# Altium PCB Engineer_Control.PcbDoc (part 1 of 2)
Units mil, origin at the board's own origin, x right, y up, seen from the top; angles counter-clockwise.
Board outline 2700 x 2145.06 mil, 2 copper layers (Top Layer, Bottom Layer); 168 components, 125 nets, 543 pads, 386 vias.
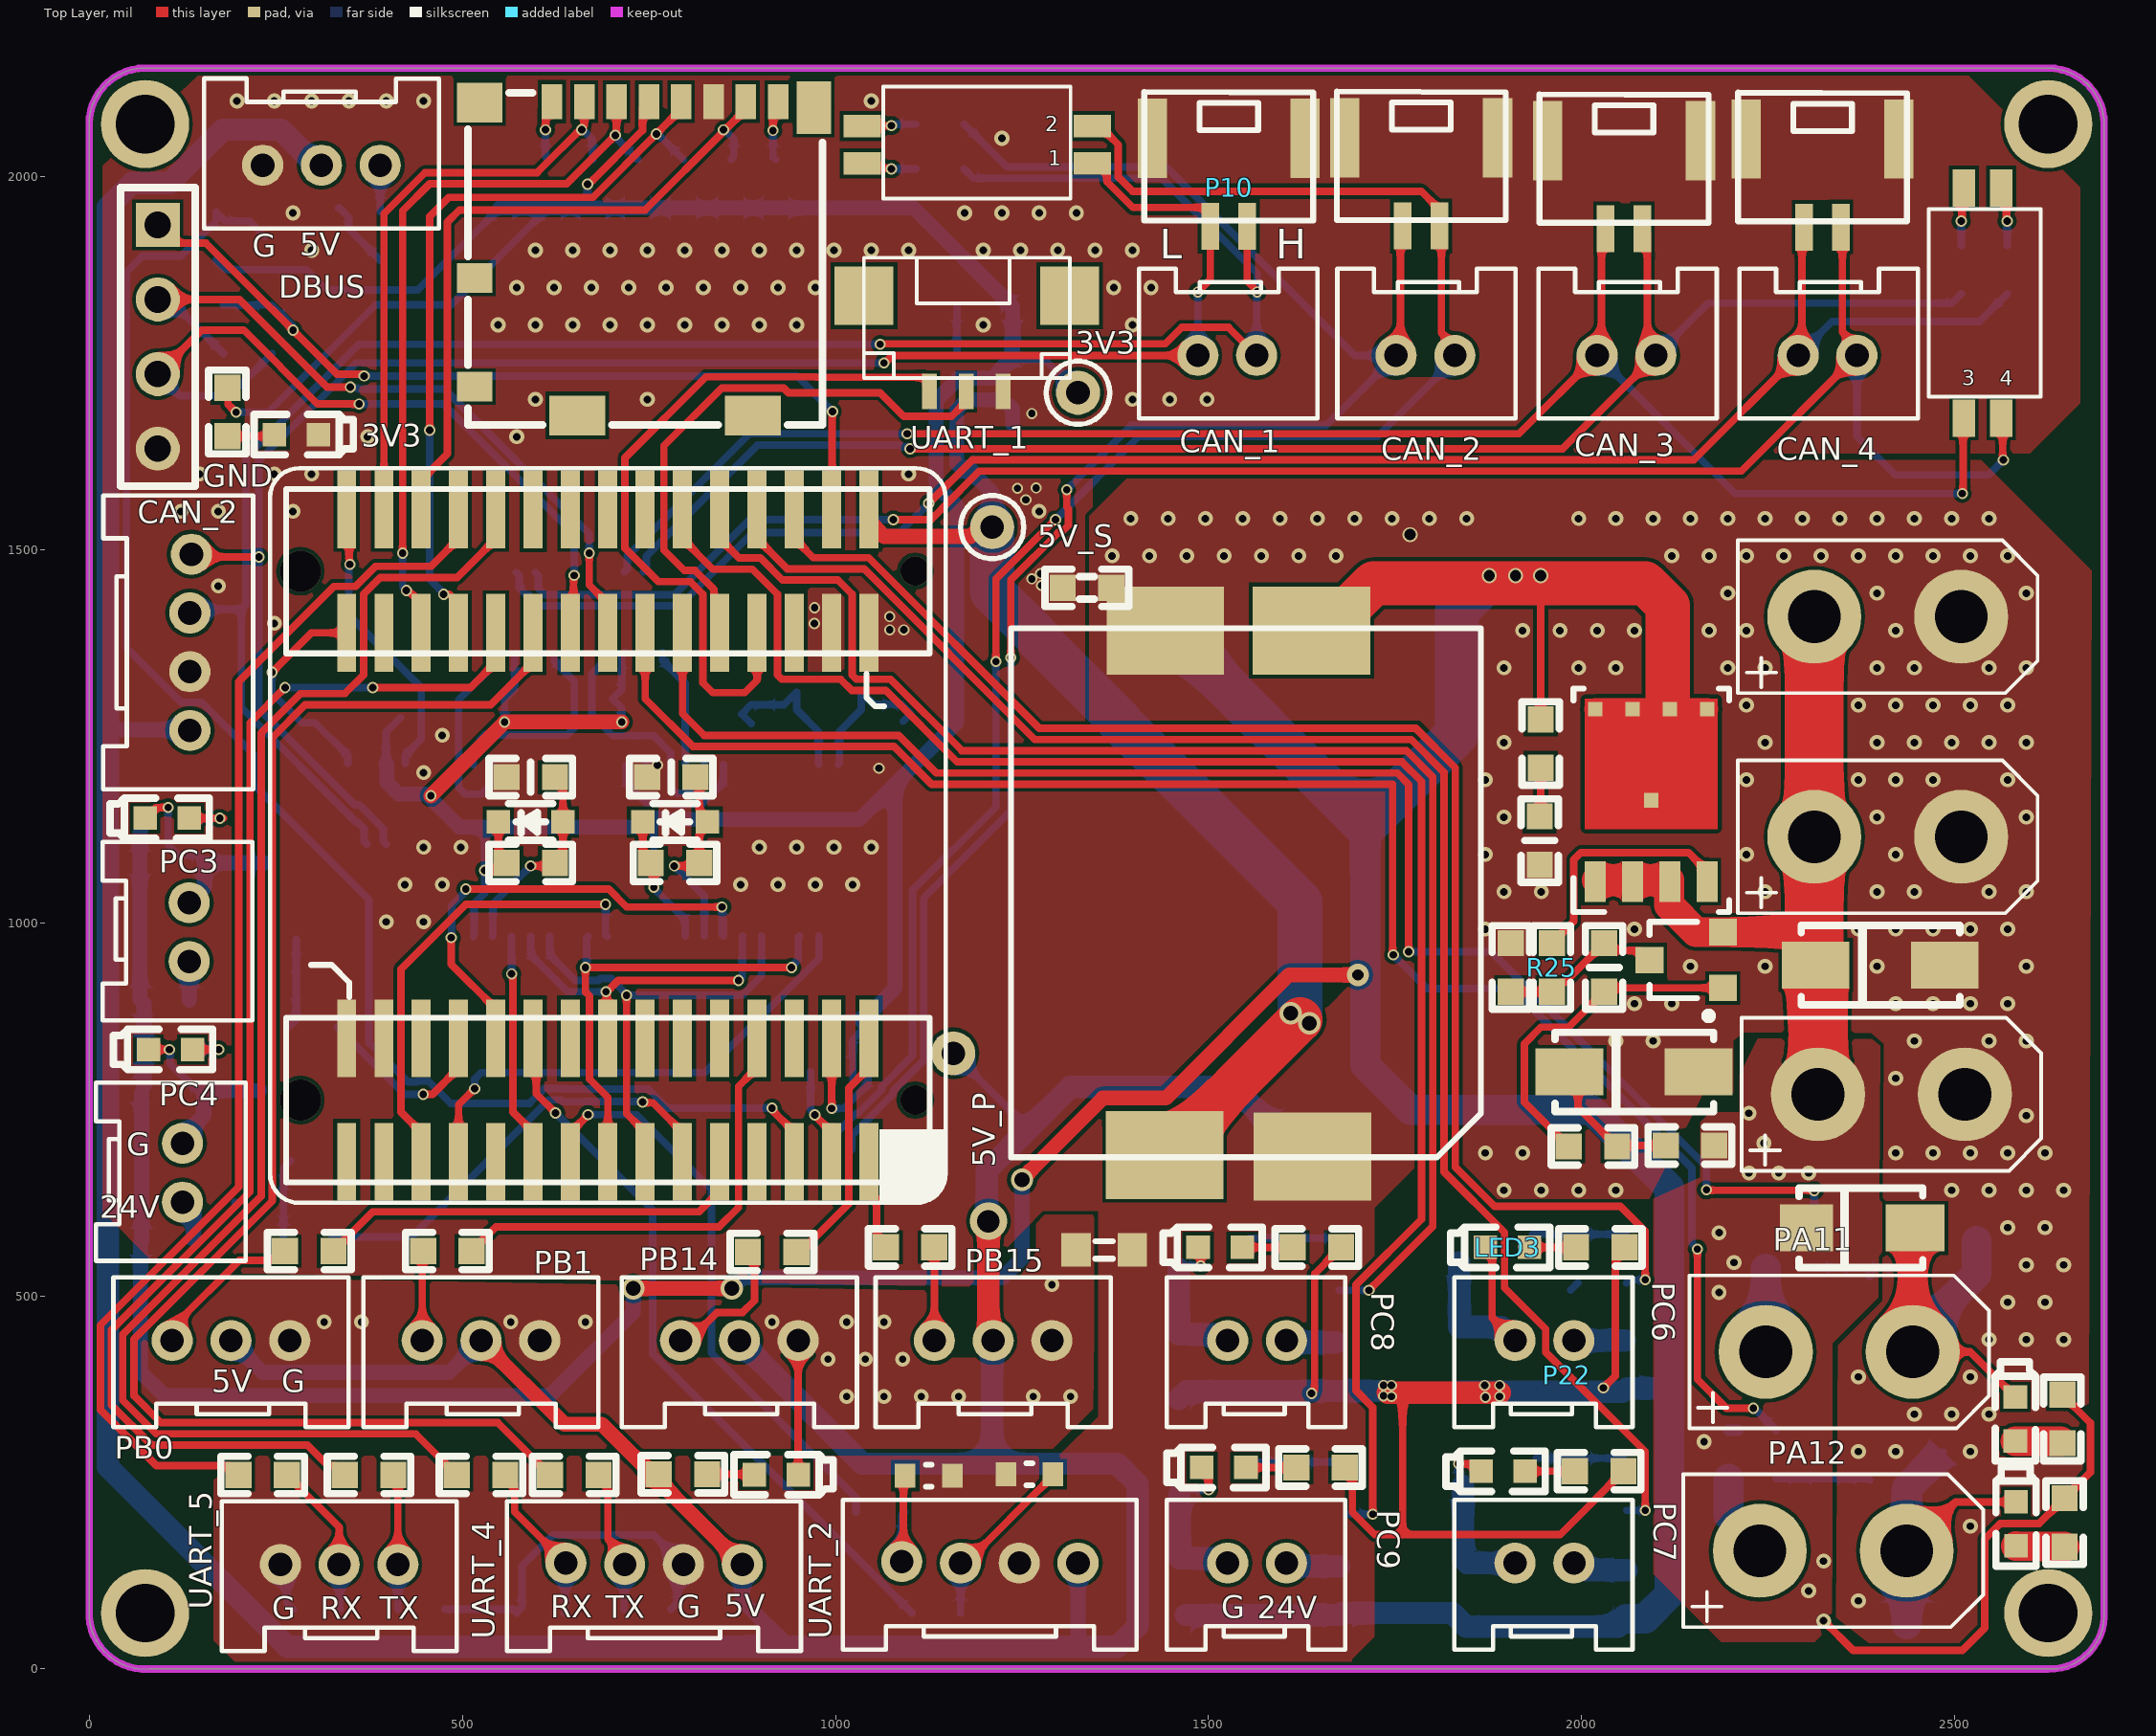
[diagram p0: Top Layer view]
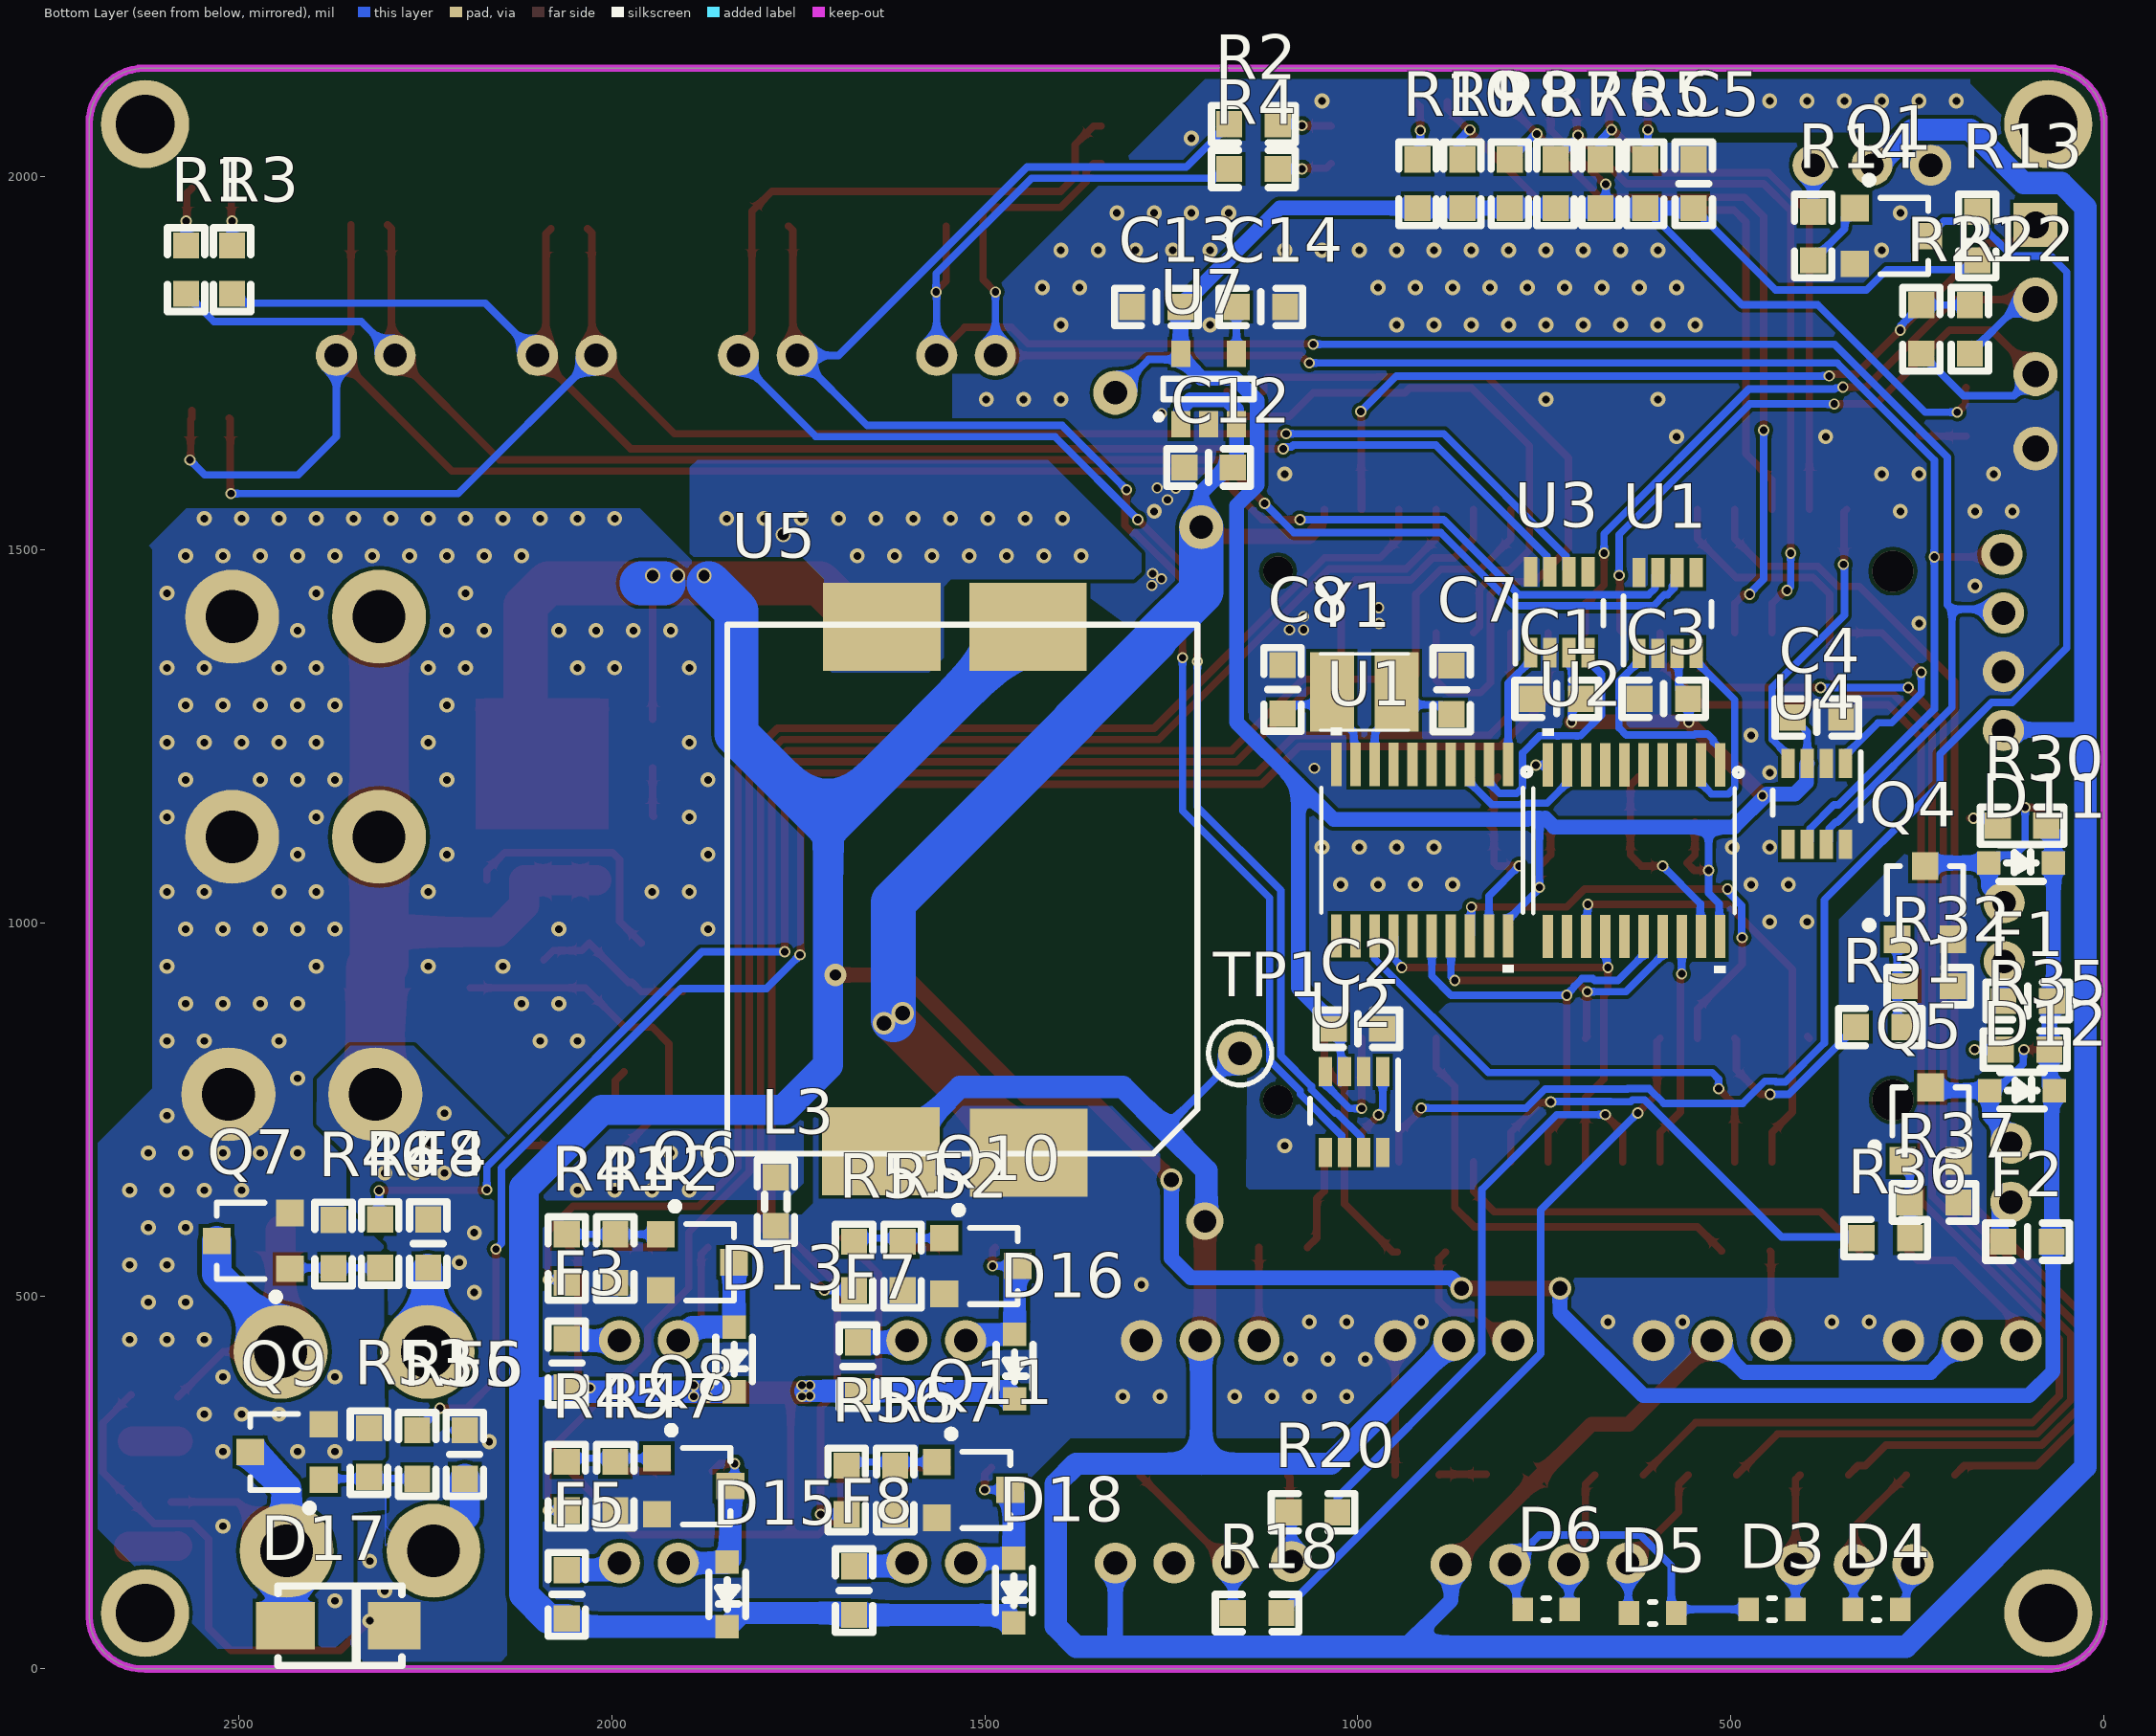
[diagram p1: Bottom Layer view, seen from below]

## Layer stack, top to bottom
Top Solder: solder mask 0.4, Solder Resist, Dk 3.5
Top Layer: signal copper 1.4
Dielectric 1: dielectric 12.6, FR-4, Dk 4.8
Bottom Layer: signal copper 1.4
Bottom Solder: solder mask 0.4, Solder Resist, Dk 3.5

## Board outline
0,70 0,2070 cw(c75,2070) 75,2145 2625,2145 cw(c2625,2070) 2700,2070 2700,70 cw(c2627.5,72.5) 2625,0 80,0 cw(c75,75)

## Design rules (kind name [scope] priority, off if disabled: settings)
Clearance [All] p1: gap=5 ignorepadtopadclearanceinfootprint=FALSE except(0: Arc-Hole Track-Hole SMDPad-Hole THPad-Hole Via-Hole Fill-Hole Poly-Hole Region-Hole Text-Hole)
PolygonConnect [All] p1: connectstyle=Direct reliefconductorwidth=10 reliefentries=4 polygonreliefangle="90 Angle" airgapwidth=10
RoutingVias [All] p1: holewidth=10 width=15 viastyle="Through Hole" minholewidth=10 minwidth=15 maxholewidth=10 maxwidth=15
SolderMaskExpansion [All] p1: expansion=4
Width [All] p1: maxlimit=118.11 minlimit=10 preferedwidth=10 minimp=50.000000 maximp=50.000000 favimp=50.000000
30 further rules are at their usual default settings.

## Classes and differential pairs
component class Peripheral: D11 D12 D13 D15 D16 D17 D18 F1 F2 F3 F4 F5 F6 F7 F8 Q4 Q5 Q6 Q7 Q8 Q9 Q10 Q11 R30 R31 R32 R35 R36 R37 R41 R42 R45 R46 R47 R48 R51 R52 R53 R55 R56 R57
component class Min_Sys: C12 C13 C14 L3 R21 R22 TP1 U5 U7
component class Communication: C1 C2 C3 C4 C5 C7 C8 D3 D4 D5 D6 Q1 R1 R2 R3 R4 R5 R6 R7 R8 R9 R10 R13 R14 R18 R20 U1 U2 U3 U4 Y1

## Components (designator, comment, footprint, x,y, rotation, side; value= is the part's Value field where it differs from the comment)
1 "0603LED_Red" 0603LED_R 891.08,260.32 r0 top
2 "0603LED_Red" 0603LED_R 247.94,1654 r0 top
*1 "TF booth" tf_booth -878.66,1853.78 r0 top
C1 "100nF" 0603C 733.57,1300 r0 bottom value=100pF
C2 "100nF" 0603C 1000,857.96 r180 bottom value=100pF
C3 "100nF" 0603C 590.14,1300 r0 bottom value=100pF
C4 "100nF" 0603C 385,1275 r180 bottom value=100pF
C5 "100nF/0603/50V" 0603C 550,1990 r270 bottom value=100pF
C6 "10uF/0603/50V" 0603C 780,1195 r0 top value=100pF
C7 "22pF" 0603C 874.46,1312 r270 bottom value=100pF
C8 "22pF" 0603C 1100.8,1312.5 r270 bottom value=100pF
C9 "10uF/0603/50V" 0603C 591.63,1195 r0 top value=100pF
C10 "100nF" 0603C 2030,940 r270 top value=100pF
C11 "10nF" 0603C 1943.58,1110 r90 top value=100pF
C12 "2.2uF" 0603C 1200,1610 r180 bottom value=100pF
C13 "2.2uF" 0603C 1270,1825 r0 bottom value=100pF
C14 "10nF" 0603C 1130,1825 r0 bottom value=100pF
D1 "1n5819" SOD-323- 785,1135 r0 top
D2 "1n5819" SOD-323- 591.63,1135 r0 top
D3 "ESDA-05N" 0603ESDA 445,80 r180 bottom
D4 "ESDA-05N" 0603ESDA 305,80 r0 bottom
D5 "ESDA-05N" 0603ESDA 605,75.02 r0 bottom
D6 "ESDA-05N" 0603ESDA 747.75,80 r180 bottom
D7 "ESDA-05N" 0603ESDA 1125,259.01 r180 top
D8 "ESDA-05N" 0603ESDA 1260,260.94 r0 top
D9 "SMAJ26CA" SMA/DO-214AC 2400,943.19 r180 top
D10 "SMCJ28A" SMA/DO-214AC 2070,800 r180 top
D11 "1N5819" SOD-323- 111.26,1080 r0 bottom
D12 "1N5819" SOD-323- 110,775 r0 bottom
D13 "1N5819" SOD-323- 1835.79,415 r90 bottom
D14 "ss54" SMAF/DO-214AC 2376,591 r180 top
D15 "1N5819" SOD-323- 1845,100 r90 bottom
D16 "1N5819" SOD-323- 1460,405 r90 bottom
D17 "ss54" SMAF/DO-214AC 2366,58 r180 bottom
D18 "1N5819" SOD-323- 1460.96,105 r90 bottom
F1 "0.1A/33V" 0603C 102.5,895 r180 bottom
F2 "0.1A/33V" 0603C 102.76,572.5 r180 bottom
F3 "0.1A/33V" 0603C 2060,410 r270 bottom
F4 "3A/24V" 0603C 2245.77,570 r90 bottom
F5 "0.1A/33V" 0603C 2060,100 r270 bottom
F6 "3A/24v" 0603C 2196.69,287.5 r90 bottom
F7 "0.1A/33V" 0603C 1670,405 r270 bottom
F8 "0.1A/33V" 0603C 1675,105 r270 bottom
L1 "磁珠0805/BLM21PG600SZ1D" 0805L 1360,561.57 r0 top value=10mH
L2 "磁珠0603/BLM18PG331SZ1D" 0603L 1336.88,1448.71 r0 top value=10mH
L3 "磁珠0603/BLM18PG331SZ1D" 0603L 1780,626.26 r90 bottom value=10mH
LED1 "LED_RED" 0603LED_B 134.06,1140 r180 top
LED2 "LED_RED" 0603LED_B 138.44,830 r180 top
LED3 "LED_RED" 0603LED_B 1930,565 r180 top
LED4 "LED_RED" 0603LED_B 2581,305.46 r90 top
LED5 "LED_RED" 0603LED_B 1924.06,265 r180 top
LED6 "LED_RED" 0603LED_B 2582,164.8 r90 top
LED7 "LED_RED" 0603LED_B 1545,565 r180 top
LED8 "LED_RED" 0603LED_B 1550,270 r180 top
M1 "STM32_LQFP64核心板" STM32_LQFP64核心板 695,1116.65 r0 top
P1 "裁判系统/GH1.25-3p立式" A1254-03AWB 1176.11,1713 r0 top
P2 "A1.25W-2F" GH1.25-2P-立贴 2056.64,1929.89 r180 top
P3 "A1.25W-2F" GH1.25-2P-立贴 2322.64,1931.89 r180 top
P4 "2pin_IO" "HY2.00MM 2X1_立式" 2060,1760 r0 top
P5 "2pin_IO" "HY2.00MM 2X1_立式" 2329.37,1760 r0 top
P6 "CAN_4pin" "HY2.00MM 4X1立式" 135,1375.63 r90 top
P7 "2pin_IO" "HY2.00MM 2X1_立式" 1525,1760 r0 top
P8 "2pin_IO" "HY2.00MM 2X1_立式" 1790.63,1760 r0 top
P9 "D-BUS" "HY2.00MM 3x1立式" 311.26,2015 r0 top
P10 "A1.25W-2F" GH1.25-2P-立贴 1527,1933 r180 top
P11 "A1.25W-2F" GH1.25-2P-立贴 1784.86,1933.58 r180 top
P12 "USART/UART-主控" "HY2.00MM 3x1立式" 335,140 r180 top
P13 "USART/UART-主控" "HY2.00MM 4X1立式" 756.89,140 r180 top
P14 "USART/UART-主控" "HY2.00MM 4X1立式" 1206.89,142 r180 top
P17 "XT30UPB-M" XT30UPB-MALE 2415,770 r180 top
P18 "XT30UPB-F" XT30UPB-FEMALE 2410,1115 r180 top
P19 "XT30UPB-F" XT30UPB-FEMALE 2410,1410 r180 top
P20 "电磁阀/电磁铁" "HY2.00MM 2X1_立式" 134.06,987.4 r90 top
P21 "电磁阀/电磁铁" "HY2.00MM 2X1_立式" 125,665 r90 top
P22 "电磁阀/电磁铁" "HY2.00MM 2X1_立式" 1950,440 r180 top
P23 "电磁阀/电磁铁" "HY2.00MM 2X1_立式" 1950,142 r180 top
P24 "电磁阀/电磁铁" "HY2.00MM 2X1_立式" 1565,440 r180 top
P25 "电磁阀/电磁铁" "HY2.00MM 2X1_立式" 1565,142 r180 top
P_out1 "XT30/60/90" XT30UPB-FEMALE 2345,425 r180 top
P_out2 "XT30/60/90" XT30UPB-FEMALE 2337,158.42 r180 top
PB1 "3Pin_IO" "HY2.00MM 3x1立式" 190,440 r180 top
PB2 "3Pin_IO" "HY2.00MM 3x1立式" 525,440 r180 top
PB3 "3Pin_IO" "HY2.00MM 3x1立式" 871.26,440 r180 top
PB4 "3Pin_IO" "HY2.00MM 3x1立式" 1211.26,440 r180 top
Q1 "SS8050" SOT-23-3 285,1920 r270 bottom
Q2 "IRF9362PBF" SON5X6 2089.14,1184 r90 top
Q3 "PMBT3906" SOT-23-3 2140,950 r90 top
Q4 "SS8050" SOT-23-3 240,1026.77 r180 bottom
Q5 "SS8050" SOT-23-3 232.52,730 r180 bottom
Q6 "SS8050" SOT-23-3 1885,545 r270 bottom
Q7 "NMOS AO3402" SOT-23-3 2480,573.53 r90 bottom
Q8 "SS8050" SOT-23-3 1890,245 r270 bottom
Q9 "NMOS AO3402" SOT-23-3 2435,290.75 r90 bottom
Q10 "SS8050" SOT-23-3 1505,540 r270 bottom
Q11 "SS8050" SOT-23-3 1515,240 r270 bottom
R1 "120" 0603R 2570,1875 r90 bottom value=1K
R2 "120" 0603R 1140,2070 r180 bottom value=1K
R3 "120" 0603R 2508.43,1875 r90 bottom value=1K
R4 "120" 0603R 1140,2010 r180 bottom value=1K
R5 "10K/5%" 0603R 615,1990 r270 bottom value=1K
R6 "10K/5%" 0603R 675,1990 r270 bottom value=1K
R7 "10K/5%" 0603R 735,1990 r270 bottom value=1K
R8 "10K/5%" 0603R 796.26,1990 r270 bottom value=1K
R9 "10K/5%" 0603R 860,1990 r270 bottom value=1K
R10 "10K/5%" 0603R 920,1990 r270 bottom value=1K
R11 "10K/5%" 0603R 785,1080 r180 top value=1K
R12 "10K/5%" 0603R 591.63,1080 r180 top value=1K
R13 "4.7K" 0603R 170,1920 r270 bottom value=1K
R14 "4.7k" 0603R 390,1920 r270 bottom value=1K
R15 "100R" 0603R 232.52,260 r180 top value=1K
R16 "100R" 0603R 375,260 r180 top value=1K
R17 "100R" 0603R 650,260 r180 top value=1K
R18 "100R" 0603R 1135,75 r180 bottom value=1K
R19 "100R" 0603R 525,260 r180 top value=1K
R20 "100R" 0603R 1060,210 r180 bottom value=1K
R21 "10k" 0603R 245,1795 r90 bottom value=1K
R22 "10k" 0603R 180,1795 r90 bottom value=1K
R23 "100k" 0603R 2145,701.42 r180 top value=1K
R24 "33R" 0603R 1945,1240 r270 top value=1K
R25 "1k" 0603R 1960,940 r270 top value=1K
R26 "1K/5%" 0603R 2015,700 r180 top value=1K
R27 "10k" 0603R 1905,940 r90 top value=1K
R28 "560" 0603R 795.61,260.94 r180 top value=1K
R29 "560" 0603R 185.24,1684.27 r90 top value=1K
R30 "4.7k" 0603R 110,1130 r0 bottom value=1K
R31 "100" 0603R 300,860 r0 bottom value=1K
R32 "4.7k" 0603R 235,915 r0 bottom
R33 "100" 0603R 295,560 r0 top value=1K
R34 "100" 0603R 480,560 r0 top value=1K
R35 "4.7k" 0603R 105.94,830 r0 bottom value=1K
R36 "100" 0603R 292.64,577.24 r0 bottom value=1K
R37 "4.7k" 0603R 227.86,625 r0 bottom
R38 "100" 0603R 915,558.76 r0 top value=1K
R39 "100" 0603R 1100,565 r180 top value=1K
R40 "4.7k" 0603R 2025,565 r180 top value=1K
R41 "100" 0603R 2060,550 r270 bottom value=1K
R42 "4.7k" 0603R 1995,550 r90 bottom
R43 "4.7k" 0603R 2644,335 r270 top value=1K
R44 "4.7k" 0603R 2023.41,265 r180 top value=1K
R45 "100" 0603R 2060,245 r270 bottom value=1K
R46 "4.7k" 0603R 2372.5,569.35 r90 bottom
R47 "4.7k" 0603R 1995,245 r90 bottom
R48 "100" 0603R 2310,570 r270 bottom value=1K
R49 "4.7k" 0603R 2647,196.38 r270 top value=1K
R50 "4.7k" 0603R 1645,564.98 r180 top value=1K
R51 "100" 0603R 1675,540 r270 bottom value=1K
R52 "4.7k" 0603R 1610,540 r90 bottom
R53 "4.7k" 0603R 2325,290 r90 bottom
R54 "4.7k" 0603R 1650,270 r180 top value=1K
R55 "100" 0603R 2260.49,287.5 r270 bottom value=1K
R56 "100" 0603R 1685,240 r270 bottom value=1K
R57 "4.7k" 0603R 1620,240 r90 bottom
S1 "1.27mm贴片拨码开关-2位" SW_DIP_2x2 2540,1830 r0 top
S2 "1.27mm贴片拨码开关-2位" SW_DIP_2x2 1190,2045 r90 top
SWD1 "SWD" "HEADER 4x1" 91.99,1935 r270 top
TP1 "TP" TP_VIA 1157.76,825 r180 bottom
TP2 "TP" TP_VIA 1210,1530 r0 top
TP3 "TP" TP_VIA 1325,1710 r0 top
U1 "TCAN33x/MAX3051" SOT-23-8 585,1415 r90 bottom
U1 "SPI-CAN" TSSOP20 913.79,1097.13 r270 bottom
U2 "SPI-CAN" TSSOP20 630,1096.42 r270 bottom
U2 "TCAN33x/MAX3051" SOT-23-8 1005,746.24 r270 bottom
U3 "TCAN33x/MAX3051" SOT-23-8 730,1416.02 r90 bottom
U4 "TCAN33x/MAX3051" SOT-23-8 385,1159.25 r270 bottom
U5 "MP2482" MP2482_PowerModule 1530,1045 r270 bottom
U6 "MP2482" MP2482_PowerModule 1550,1040 r270 top
U7 "SPX3819M5-3.3" "SOT-23-5 L" 1200,1715 r90 bottom
Y1 "8MHz" NX3225GD 991.35,1309 r180 bottom
